# Altium PCB LightLink_V2_NOT_USED.PcbDoc (part 1 of 3)
Units mm, origin at the board's own origin, x right, y up, seen from the top; angles counter-clockwise.
Board outline 100 x 95 mm, 4 copper layers (Top Layer, GND, PWR, Bottom Layer), stack 0.603 mm thick; 319 components, 246 nets, 1057 pads, 165 vias.
Unrouted connection lines stored in the file: 408.
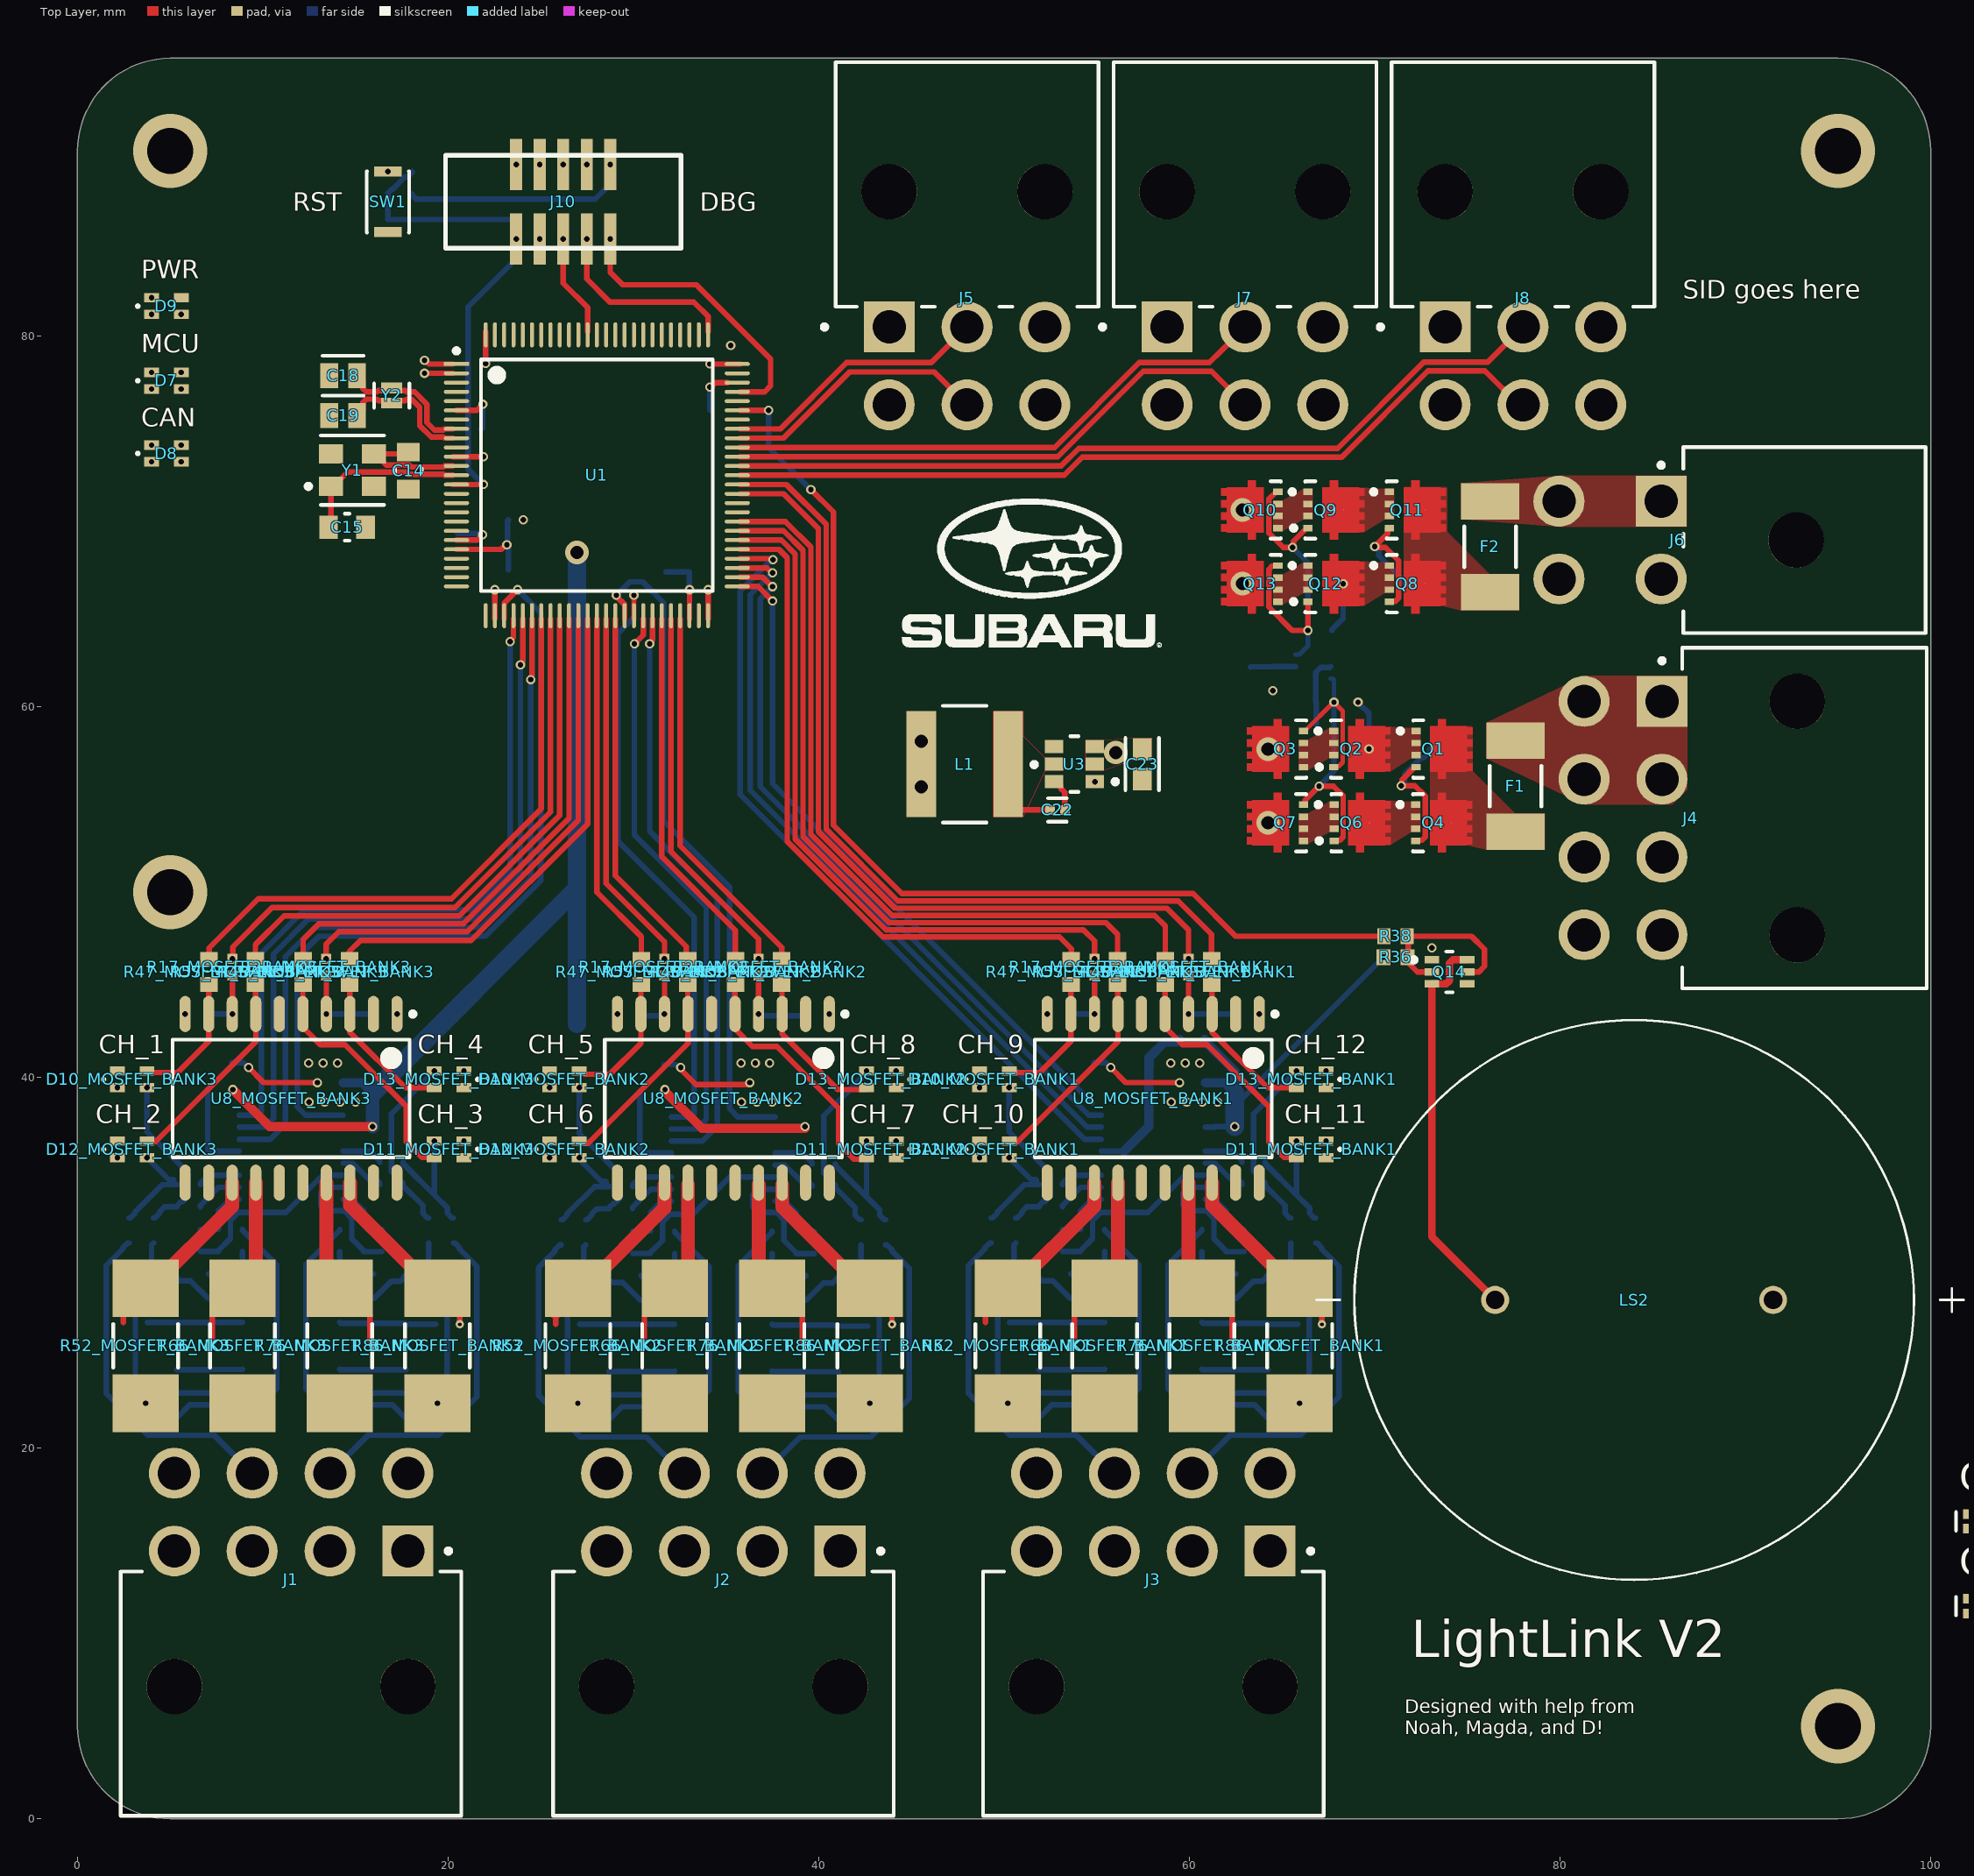
[diagram p0: Top Layer view]
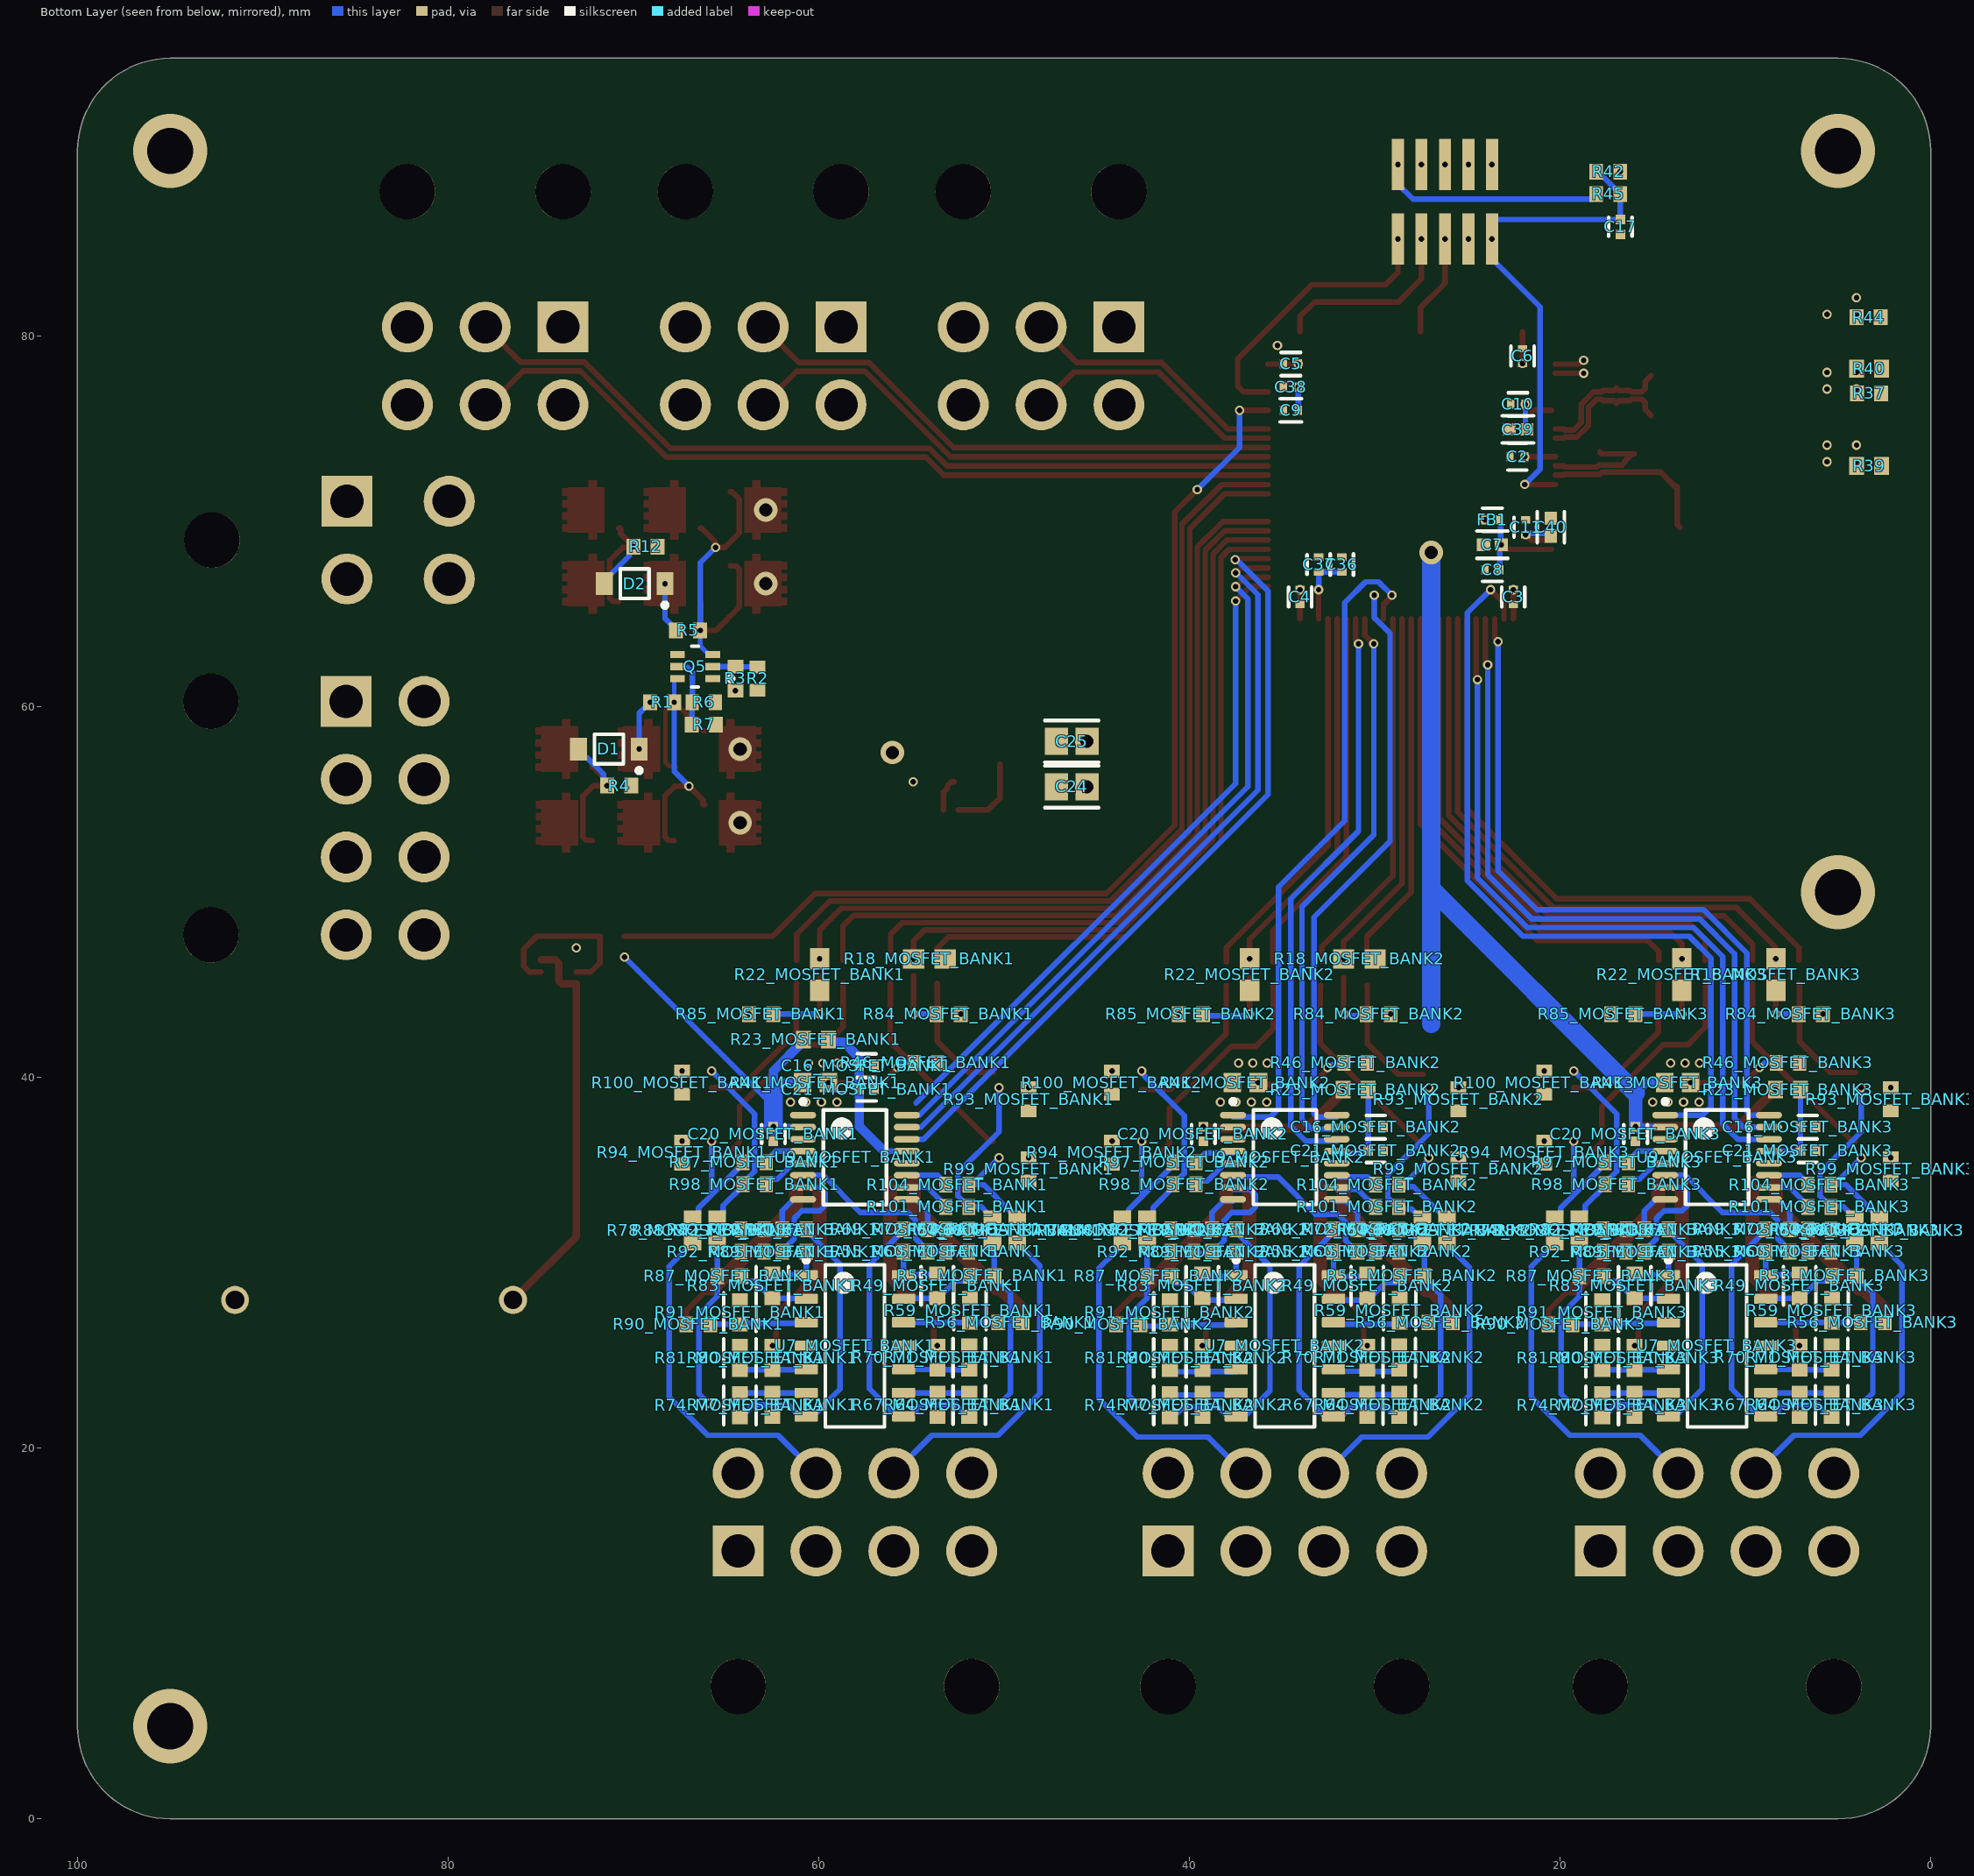
[diagram p1: Bottom Layer view, seen from below]

## Layer stack, top to bottom
Top Solder: solder mask 0.0102, Solder Resist, Dk 3.5
Top Layer: signal copper 0.0356
Dielectric 2: prepreg 0.0711, PP-006, Dk 4.1
GND: signal copper 0.035
Dielectric 1: dielectric 0.32, FR-4, Dk 4.8
PWR: signal copper 0.035
Dielectric 3: prepreg 0.0711, PP-006, Dk 4.1
Bottom Layer: signal copper 0.0356
Bottom Solder: solder mask 0.0102, Solder Resist, Dk 3.5

## Board outline
0,5 0,90 cw(c5,90) 5,95 95,95 cw(c95,90) 100,90 100,5 cw(c95,5) 95,0 5,0 cw(c5,5)

## Design rules (kind name [scope] priority, off if disabled: settings)
BoardOutlineClearance [All] p1: gap=0.2 ignorepadtopadclearanceinfootprint=FALSE
Clearance [All] p1: gap=0.089 ignorepadtopadclearanceinfootprint=FALSE except(0.127: Arc-Via Track-Via SMDPad-Via THPad-Via Via-Via Via-Fill Via-Poly Via-Region Via-Text; 0.25: Arc-Hole Track-Hole SMDPad-Hole THPad-Hole Via-Hole Fill-Hole Poly-Hole Region-Hole Text-Hole)
ComponentClearance [All] p1: gap=0.089 collisioncheckmode=3 verticalgap=0.089 showdistances=TRUE
DiffPairsRouting [All] p1: maxlimit=0.089 minlimit=0.089 mostfreqgap=0.089 toplayer_minwidth=0.089 toplayer_maxwidth=1816.048 toplayer_prefwidth=0.089 midlayer3_minwidth=0.089 midlayer3_maxwidth=1816.048 midlayer3_prefwidth=0.089 midlayer4_minwidth=0.089 midlayer4_maxwidth=1816.048 midlayer4_prefwidth=0.089 bottomlayer_minwidth=0.089 bottomlayer_maxwidth=1816.048 bottomlayer_prefwidth=0.089 maxuncoupledlength=12.7
Height [All] p1: minheight=0 maxheight=1816.048 prefheight=12.7
HoleSize [All] p1: absolutevalues=TRUE maxlimit=6.3 minlimit=0.2 maxpercent=80.000 minpercent=20.000
HoleToHoleClearance [All] p1: gap=0.25 allowstackedmicrovias=FALSE
MinimumAnnularRing [All] p1: minimumring=0.076
MinimumSolderMaskSliver [All] p1: minsoldermaskwidth=0
PlaneClearance [All] p1: clearance=0.089
PlaneConnect PlaneConnectPowerPads [InPadClass('PowerPads')] p1: planeconnectstyle=Direct reliefexpansion=0.508 reliefentries=4 reliefconductorwidth=0.254 reliefairgap=0.254
PlaneConnect [All] p2: pad.planeconnectstyle=Relief pad.reliefexpansion=0.3 pad.reliefentries=4 pad.reliefconductorwidth=0.089 pad.reliefairgap=0.089 via.planeconnectstyle=Direct via.reliefexpansion=0.3 via.reliefentries=4 via.reliefconductorwidth=0.127 via.reliefairgap=0.127
PolygonConnect PolygonConnectPowerPads [All vs (InPadClass('PowerPads'))] p1: connectstyle=Direct reliefconductorwidth=0.254 reliefentries=4 polygonreliefangle="90 Angle" airgapwidth=0.254
PolygonConnect [All] p2: connectstyle=Direct reliefconductorwidth=0.089 reliefentries=4 polygonreliefangle="90 Angle" airgapwidth=0.089
RoomDefinition MOSFET_BANK3 [InComponentClass('MOSFET_BANK3')] p1: confinementstyle=ConfineIn formatcopy=TRUE lockcomponents=FALSE outline 0.425,-0.025 22.725,-0.025 22.725,46.875 0.425,46.875
RoomDefinition MOSFET_BANK1 [InComponentClass('MOSFET_BANK1')] p2: confinementstyle=ConfineIn formatcopy=TRUE lockcomponents=FALSE outline 46.95,-0.025 69.25,-0.025 69.25,46.875 46.95,46.875
RoomDefinition MOSFET_BANK2 [InComponentClass('MOSFET_BANK2')] p3: confinementstyle=ConfineIn formatcopy=TRUE lockcomponents=FALSE outline 23.75,-0.025 46.05,-0.025 46.05,46.875 23.75,46.875
RoutingVias [All] p1: holewidth=0.2 width=0.45 viastyle="Through Hole" minholewidth=0.2 minwidth=0.45 maxholewidth=6.3 maxwidth=6.55
SilkToSilkClearance [All] p1: silktosilkclearance=0
SilkToSolderMaskClearance [IsPad] p1: minsilkscreentomaskgap=0.089 clearancetoexposedcopper=TRUE
SolderMaskExpansion [All] p1: expansion=0.075 istentingtop=FALSE
Width [All] p1: maxlimit=1816.048 minlimit=0.089 preferedwidth=0.089
20 further rules are at their usual default settings.

## Classes and differential pairs
net class 120DIFF: CAN_N CAN_P PRE_CAN_N PRE_CAN_P
channel class MOSFET_BANK: MOSFET_BANK1 MOSFET_BANK2 MOSFET_BANK3
component class STM32H730_PINOUT: C1 C2 C3 C4 C5 C6 C7 C8 C9 C10 C11 C12 C13 C14 C15 C17 C18 C19 C26 C27 C28 C29 C30 C31 C32 C33 C34 C35 C36 C37 C38 C39 C40 D4 D6 D7 D8 D9 FB1 J10 L2 LS2 Q14 R19 R20 R24 R25 R26 R27 R28 R29 R30 R31 R32 R33 R34 R35 R36 R37 R38 R39 R40 R42 R43 R44 R45 R50 R51 SW1 SW2 SW3 U1 U2 U4 U10 Y1 Y2
component class MOSFET_BANK3: C16_MOSFET_BANK3 C20_MOSFET_BANK3 C21_MOSFET_BANK3 D10_MOSFET_BANK3 D11_MOSFET_BANK3 D12_MOSFET_BANK3 D13_MOSFET_BANK3 R17_MOSFET_BANK3 R18_MOSFET_BANK3 R21_MOSFET_BANK3 R22_MOSFET_BANK3 R23_MOSFET_BANK3 R41_MOSFET_BANK3 R46_MOSFET_BANK3 R47_MOSFET_BANK3 R48_MOSFET_BANK3 R49_MOSFET_BANK3 R52_MOSFET_BANK3 R53_MOSFET_BANK3 R54_MOSFET_BANK3 R55_MOSFET_BANK3 R56_MOSFET_BANK3 R57_MOSFET_BANK3 R58_MOSFET_BANK3 R59_MOSFET_BANK3 R60_MOSFET_BANK3 R64_MOSFET_BANK3 R66_MOSFET_BANK3 R67_MOSFET_BANK3 R68_MOSFET_BANK3 R69_MOSFET_BANK3 R70_MOSFET_BANK3 R71_MOSFET_BANK3 R72_MOSFET_BANK3 R74_MOSFET_BANK3 R76_MOSFET_BANK3 R77_MOSFET_BANK3 R78_MOSFET_BANK3 R79_MOSFET_BANK3 R80_MOSFET_BANK3 R81_MOSFET_BANK3 R82_MOSFET_BANK3 R83_MOSFET_BANK3 R84_MOSFET_BANK3 R85_MOSFET_BANK3 R86_MOSFET_BANK3 R87_MOSFET_BANK3 R88_MOSFET_BANK3 R89_MOSFET_BANK3 R90_MOSFET_BANK3 R91_MOSFET_BANK3 R92_MOSFET_BANK3 R93_MOSFET_BANK3 R94_MOSFET_BANK3 R97_MOSFET_BANK3 R98_MOSFET_BANK3 R99_MOSFET_BANK3 R100_MOSFET_BANK3 R101_MOSFET_BANK3 R104_MOSFET_BANK3 U7_MOSFET_BANK3 U8_MOSFET_BANK3 U9_MOSFET_BANK3
component class MOSFET_BANK2: C16_MOSFET_BANK2 C20_MOSFET_BANK2 C21_MOSFET_BANK2 D10_MOSFET_BANK2 D11_MOSFET_BANK2 D12_MOSFET_BANK2 D13_MOSFET_BANK2 R17_MOSFET_BANK2 R18_MOSFET_BANK2 R21_MOSFET_BANK2 R22_MOSFET_BANK2 R23_MOSFET_BANK2 R41_MOSFET_BANK2 R46_MOSFET_BANK2 R47_MOSFET_BANK2 R48_MOSFET_BANK2 R49_MOSFET_BANK2 R52_MOSFET_BANK2 R53_MOSFET_BANK2 R54_MOSFET_BANK2 R55_MOSFET_BANK2 R56_MOSFET_BANK2 R57_MOSFET_BANK2 R58_MOSFET_BANK2 R59_MOSFET_BANK2 R60_MOSFET_BANK2 R64_MOSFET_BANK2 R66_MOSFET_BANK2 R67_MOSFET_BANK2 R68_MOSFET_BANK2 R69_MOSFET_BANK2 R70_MOSFET_BANK2 R71_MOSFET_BANK2 R72_MOSFET_BANK2 R74_MOSFET_BANK2 R76_MOSFET_BANK2 R77_MOSFET_BANK2 R78_MOSFET_BANK2 R79_MOSFET_BANK2 R80_MOSFET_BANK2 R81_MOSFET_BANK2 R82_MOSFET_BANK2 R83_MOSFET_BANK2 R84_MOSFET_BANK2 R85_MOSFET_BANK2 R86_MOSFET_BANK2 R87_MOSFET_BANK2 R88_MOSFET_BANK2 R89_MOSFET_BANK2 R90_MOSFET_BANK2 R91_MOSFET_BANK2 R92_MOSFET_BANK2 R93_MOSFET_BANK2 R94_MOSFET_BANK2 R97_MOSFET_BANK2 R98_MOSFET_BANK2 R99_MOSFET_BANK2 R100_MOSFET_BANK2 R101_MOSFET_BANK2 R104_MOSFET_BANK2 U7_MOSFET_BANK2 U8_MOSFET_BANK2 U9_MOSFET_BANK2
component class MOSFET_BANK1: C16_MOSFET_BANK1 C20_MOSFET_BANK1 C21_MOSFET_BANK1 D10_MOSFET_BANK1 D11_MOSFET_BANK1 D12_MOSFET_BANK1 D13_MOSFET_BANK1 R17_MOSFET_BANK1 R18_MOSFET_BANK1 R21_MOSFET_BANK1 R22_MOSFET_BANK1 R23_MOSFET_BANK1 R41_MOSFET_BANK1 R46_MOSFET_BANK1 R47_MOSFET_BANK1 R48_MOSFET_BANK1 R49_MOSFET_BANK1 R52_MOSFET_BANK1 R53_MOSFET_BANK1 R54_MOSFET_BANK1 R55_MOSFET_BANK1 R56_MOSFET_BANK1 R57_MOSFET_BANK1 R58_MOSFET_BANK1 R59_MOSFET_BANK1 R60_MOSFET_BANK1 R64_MOSFET_BANK1 R66_MOSFET_BANK1 R67_MOSFET_BANK1 R68_MOSFET_BANK1 R69_MOSFET_BANK1 R70_MOSFET_BANK1 R71_MOSFET_BANK1 R72_MOSFET_BANK1 R74_MOSFET_BANK1 R76_MOSFET_BANK1 R77_MOSFET_BANK1 R78_MOSFET_BANK1 R79_MOSFET_BANK1 R80_MOSFET_BANK1 R81_MOSFET_BANK1 R82_MOSFET_BANK1 R83_MOSFET_BANK1 R84_MOSFET_BANK1 R85_MOSFET_BANK1 R86_MOSFET_BANK1 R87_MOSFET_BANK1 R88_MOSFET_BANK1 R89_MOSFET_BANK1 R90_MOSFET_BANK1 R91_MOSFET_BANK1 R92_MOSFET_BANK1 R93_MOSFET_BANK1 R94_MOSFET_BANK1 R97_MOSFET_BANK1 R98_MOSFET_BANK1 R99_MOSFET_BANK1 R100_MOSFET_BANK1 R101_MOSFET_BANK1 R104_MOSFET_BANK1 U7_MOSFET_BANK1 U8_MOSFET_BANK1 U9_MOSFET_BANK1
component class LightLink_V4: J1 J2 J3 J4 J5 J6 J7 J8 J9
component class PWR_MGMT: D1 D2 D3 D5 F1 F2 Q1 Q2 Q3 Q4 Q5 Q6 Q7 Q8 Q9 Q10 Q11 Q12 Q13 R1 R2 R3 R4 R5 R6 R7 R8 R9 R10 R11 R12 R13 R14 R15 R16
component class INTERNAL_REGULATORS: C22 C23 C24 C25 L1 R105 R106 U3
differential pair PRE_CAN: +PRE_CAN_P -PRE_CAN_N
differential pair CAN: +CAN_P -CAN_N
differential pair X: +X_P -X_N
differential pair X32: +X32_P -X32_N

## Components (designator, comment, footprint, x,y, rotation, side; value= is the part's Value field where it differs from the comment)
C1 "C0402C104K8PACTU" FP-C0402-BB-MFG 97.55,162.5 r180 bottom value="0.10 μF"
C2 "C1005X5R1A475K050BC" FP-C1005-050-0_15-MFG 22.3,73.5 r0 bottom
C3 "GRM155R71C104KA88D" FP-GRM15-MFG 22.525,65.925 r90 bottom value=0.10μF
C4 "GRM155R71C104KA88D" FP-GRM15-MFG 34.025,65.925 r90 bottom value=0.10μF
C5 "GRM155R71C104KA88D" FP-GRM15-MFG 34.525,78.5 r180 bottom value=0.10μF
C6 "GRM155R71C104KA88D" FP-GRM15-MFG 22.025,78.925 r270 bottom value=0.10μF
C7 "EMK105BJ105KV-F" FP-0402-L_1_0_0_05-W_0_5-IPC_A 23.646,68.75 r0 bottom
C8 "GRM155R71C104KA88D" FP-GRM15-MFG 23.646,67.4 r180 bottom value=0.10μF
C9 "C1005X7S1A225K050BC" FP-C1005-050-0_15-0_1-MFG 34.525,76 r180 bottom
C10 "GRM155R71C104KA88D" FP-GRM15-MFG 22.271,76.325 r180 bottom value=0.10μF
C11 "GRM155R71C104KA88D" FP-GRM15-MFG 21.861,69.696 r270 bottom value=0.10μF
C12 "C0402C104K8PACTU" FP-C0402-BB-MFG 53.271,105.014 r90 bottom value="0.10 μF"
C13 "C0402C104K8PACTU" FP-C0402-BB-MFG 46.95,103.275 r90 bottom value="0.10 μF"
C14 "08051A6R8CAT2A" FP-0805-L_2_01_0_2-W_1_25-MFG 17.85,72.75 r90 top
C15 "08051A6R8CAT2A" FP-0805-L_2_01_0_2-W_1_25-MFG 14.542,69.7 r180 top
C16_MOSFET_BANK1 "C0402C104K8PACTU" FP-C0402-BB-MFG 57.415,40.64 r180 bottom value="0.10 μF" (schematic designator C16)
C16_MOSFET_BANK2 "C0402C104K8PACTU" FP-C0402-BB-MFG 29.95,37.325 r180 bottom value="0.10 μF" (schematic designator C16)
C16_MOSFET_BANK3 "C0402C104K8PACTU" FP-C0402-BB-MFG 6.625,37.325 r180 bottom value="0.10 μF" (schematic designator C16)
C17 "C0402C104K8PACTU" FP-C0402-BB-MFG 16.745,85.905 r270 bottom value="0.10 μF"
C18 "C0805C180J5GACTU" FP-C0805C-DN-MFG 14.333,77.875 r180 top value="18 pF"
C19 "C0805C180J5GACTU" FP-C0805C-DN-MFG 14.333,75.725 r180 top value="18 pF"
C20_MOSFET_BANK1 "C0402C104K8PACTU" FP-C0402-BB-MFG 62.45,36.95 r270 bottom value="0.10 μF" (schematic designator C20)
C20_MOSFET_BANK2 "C0402C104K8PACTU" FP-C0402-BB-MFG 39.25,36.95 r270 bottom value="0.10 μF" (schematic designator C20)
C20_MOSFET_BANK3 "C0402C104K8PACTU" FP-C0402-BB-MFG 15.925,36.95 r270 bottom value="0.10 μF" (schematic designator C20)
C21_MOSFET_BANK1 "C0402C104K8PACTU" FP-C0402-BB-MFG 57.415,39.365 r180 bottom value="0.10 μF" (schematic designator C21)
C21_MOSFET_BANK2 "C0402C104K8PACTU" FP-C0402-BB-MFG 29.95,36.05 r180 bottom value="0.10 μF" (schematic designator C21)
C21_MOSFET_BANK3 "C0402C104K8PACTU" FP-C0402-BB-MFG 6.625,36.05 r180 bottom value="0.10 μF" (schematic designator C21)
C22 "C0402C104K8PACTU" FP-C0402-BB-MFG 52.875,54.438 r180 top value="0.10 μF"
C23 "GRM188R60J106ME47D" FP-GRM188-0_1-e0_2_0_55-IPC_A 57.45,56.913 r270 top
C24 "GRM21BR61E226ME44L" FP-GRM21B-0_2-e0_2_0_7-IPC_B 46.352,55.688 r0 bottom
C25 "GRM21BR61E226ME44L" FP-GRM21B-0_2-e0_2_0_7-IPC_B 46.352,58.138 r0 bottom
C26 "C0402C104K8PACTU" FP-C0402-BB-MFG 102.006,16.052 r90 top value="0.10 μF"
C27 "C0402C104K8PACTU" FP-C0402-BB-MFG 161.034,16.052 r90 top value="0.10 μF"
C28 "C0402C104K8PACTU" FP-C0402-BB-MFG 155.184,16.052 r90 top value="0.10 μF"
C29 "C0402C104K8PACTU" FP-C0402-BB-MFG 143.483,16.052 r90 top value="0.10 μF"
C30 "C0402C104K8PACTU" FP-C0402-BB-MFG 149.334,16.052 r90 top value="0.10 μF"
C31 "C0402C104K8PACTU" FP-C0402-BB-MFG 125.407,16.052 r90 top value="0.10 μF"
C32 "C0402C104K8PACTU" FP-C0402-BB-MFG 119.557,16.052 r90 top value="0.10 μF"
C33 "C0402C104K8PACTU" FP-C0402-BB-MFG 113.707,16.052 r90 top value="0.10 μF"
C34 "C0805C225K9PACTU" CAPC2013X145X50ML20T25 109.307,11.052 r0 top
C35 "C0402C104K8PACTU" FP-C0402-BB-MFG 102.006,11.477 r90 top value="0.10 μF"
C36 "C1005X7S1A225K050BC" FP-C1005-050-0_15-0_1-MFG 31.775,67.675 r270 bottom
C37 "GRM155R71C104KA88D" FP-GRM15-MFG 33.025,67.675 r270 bottom value=0.10μF
C38 "GRM155R71C104KA88D" FP-GRM15-MFG 34.525,77.25 r180 bottom value=0.10μF
C39 "EMK105BJ105KV-F" FP-0402-L_1_0_0_05-W_0_5-IPC_A 22.271,74.975 r0 bottom
C40 "EMK105BJ105KV-F" FP-0402-L_1_0_0_05-W_0_5-IPC_A 20.5,69.7 r90 bottom
D1 "MMSZ5242BT1G" ONSC-SOD-123-2-425-04_V 71.329,57.725 r0 bottom
D2 "MMSZ5242BT1G" ONSC-SOD-123-2-425-04_V 69.935,66.65 r0 bottom
D3 "1N4148W-TP" FP-SOD-123-IPC_A 107.2,168.725 r180 bottom
D4 "ESDCAN02-2BWY" FP-SOT323-3L-MFG 91.925,163.7 r270 bottom value=3pF
D5 "1N4148W-TP" FP-SOD-123-IPC_A 118.175,-5.025 r0 top
D6 "1N4148W-TP" FP-SOD-123-IPC_A 134.525,-5.7 r0 top
D7 "150066RG54050" WL-SBCD_0606 4.8,77.6 r90 top
D8 "150066RG54050" WL-SBCD_0606 4.8,73.675 r90 top
D9 "150066RG54050" WL-SBCD_0606 4.8,81.625 r90 top
D10_MOSFET_BANK1 "150066RG54050" WL-SBCD_0606 49.475,39.9 r90 top (schematic designator D10)
D10_MOSFET_BANK2 "150066RG54050" WL-SBCD_0606 26.275,39.9 r90 top (schematic designator D10)
D10_MOSFET_BANK3 "150066RG54050" WL-SBCD_0606 2.95,39.9 r90 top (schematic designator D10)
D11_MOSFET_BANK1 "150066RG54050" WL-SBCD_0606 66.575,36.125 r270 top (schematic designator D11)
D11_MOSFET_BANK2 "150066RG54050" WL-SBCD_0606 43.375,36.125 r270 top (schematic designator D11)
D11_MOSFET_BANK3 "150066RG54050" WL-SBCD_0606 20.05,36.125 r270 top (schematic designator D11)
D12_MOSFET_BANK1 "150066RG54050" WL-SBCD_0606 49.475,36.125 r90 top (schematic designator D12)
D12_MOSFET_BANK2 "150066RG54050" WL-SBCD_0606 26.275,36.125 r90 top (schematic designator D12)
D12_MOSFET_BANK3 "150066RG54050" WL-SBCD_0606 2.95,36.125 r90 top (schematic designator D12)
D13_MOSFET_BANK1 "150066RG54050" WL-SBCD_0606 66.575,39.9 r270 top (schematic designator D13)
D13_MOSFET_BANK2 "150066RG54050" WL-SBCD_0606 43.375,39.9 r270 top (schematic designator D13)
D13_MOSFET_BANK3 "150066RG54050" WL-SBCD_0606 20.05,39.9 r270 top (schematic designator D13)
F1 "0679L9100-05" FP-0679L-MFG 77.6,55.725 r270 top value=0.0038Ω
F2 "0679L5000-05" FP-0679L-MFG 76.225,68.641 r270 top value=0.0038Ω
FB1 "BLM15PX601SN1D" FP-BLM15-0_05-MFG 23.65,70.1 r180 bottom
J1 "45586-0005" FP-45586-0005-MFG 11.525,6.95 r180 top
J2 "45586-0005" FP-45586-0005-MFG 34.85,6.95 r180 top
J3 "45586-0005" FP-45586-0005-MFG 58.05,6.95 r180 top
J4 "45586-0005" FP-45586-0005-MFG 93,54 r270 top
J5 "455580003" FP-455580003-MFG 48,88 r0 top
J6 "172448-0004" FP-39-30-1041-MFG 93,69 r90 top
J7 "455580003" FP-455580003-MFG 63,88 r0 top
J8 "455580003" FP-455580003-MFG 78,88 r0 top
J9 "455580003" FP-455580003-MFG -18.02,66.4 r90 top
J10 "HYDRA_PROGRAMMING_HEADER" 3220-10-0300-00-Footprint-1 28.75,85.24 r180 top
L1 "1255AY-3R9N=P3" FP-DG6045C-MFG 47.875,56.913 r180 top
L2 "SRF4532-510Y" FP-SRF4532-MFG 138.683,14.977 r0 top
LS2 "AI-3035-TT-12V-R" AI-3035-TT-12V-R-Footprint-1 84,28 r180 top
Q1 "SISH615ADN-T1-GE3" SISH615ADN-T1-GE3-Footprint-1 73.629,57.763 r270 top
Q2 "SISH615ADN-T1-GE3" SISH615ADN-T1-GE3-Footprint-1 69.194,57.763 r270 top
Q3 "SISH615ADN-T1-GE3" SISH615ADN-T1-GE3-Footprint-1 64.754,57.687 r90 top
Q4 "SISH615ADN-T1-GE3" SISH615ADN-T1-GE3-Footprint-1 73.619,53.787 r270 top
Q5 "SSM6N7002KFU,LF" FP-SSOP6-P-0_65A-MFG 66.675,62.175 r0 bottom
Q6 "SISH615ADN-T1-GE3" SISH615ADN-T1-GE3-Footprint-1 69.204,53.787 r270 top
Q7 "SISH615ADN-T1-GE3" SISH615ADN-T1-GE3-Footprint-1 64.754,53.712 r90 top
Q8 "SISH615ADN-T1-GE3" SISH615ADN-T1-GE3-Footprint-1 72.2,66.688 r270 top
Q9 "SISH615ADN-T1-GE3" SISH615ADN-T1-GE3-Footprint-1 67.8,70.663 r270 top
Q10 "SISH615ADN-T1-GE3" SISH615ADN-T1-GE3-Footprint-1 63.375,70.588 r90 top
Q11 "SISH615ADN-T1-GE3" SISH615ADN-T1-GE3-Footprint-1 72.2,70.663 r270 top
Q12 "SISH615ADN-T1-GE3" SISH615ADN-T1-GE3-Footprint-1 67.8,66.688 r270 top
Q13 "SISH615ADN-T1-GE3" SISH615ADN-T1-GE3-Footprint-1 63.375,66.613 r90 top
Q14 "SSM6N7002KFU,LF" FP-SSOP6-P-0_65A-MFG 74.036,45.7 r0 top
R1 "ERJ3EKF1002V" RESC1609X55X30LL15T15 68.45,60.25 r180 bottom
R2 "ERJ-3EKF1001V" RESC1608X55X30LL15T15#1 63.3,61.525 r90 bottom
R3 "ERJ3EKF1002V" RESC1609X55X30LL15T15 64.5,61.525 r270 bottom
R4 "ERJ3EKF1002V" RESC1609X55X30LL15T15 70.775,55.75 r180 bottom
R5 "ERJ3EKF1002V" RESC1609X55X30LL15T15 67.05,64.125 r180 bottom
R6 "ERJ-3EKF1001V" RESC1608X55X30LL15T15#1 66.2,60.25 r0 bottom
R7 "ERJ3EKF1002V" RESC1609X55X30LL15T15 66.2,59.05 r180 bottom
R8 "ERJ3EKF1002V" RESC1609X55X30LL15T15 60.825,104.575 r0 top
R9 "ERJ3EKF1002V" RESC1609X55X30LL15T15 61.95,115.425 r0 top
R10 "ERJ3EKF1002V" RESC1609X55X30LL15T15 67.4,123.4 r90 top
R11 "ERJ3EKF1002V" RESC1609X55X30LL15T15 81.05,112.35 r90 top
R12 "ERJ3EKF1002V" RESC1609X55X30LL15T15 69.35,68.65 r180 bottom
R13 "ERJ3EKF2701V" RESC1608X55X30LL15T15#1 60.825,105.8 r0 top
R14 "ERJ3EKF2701V" RESC1608X55X30LL15T15#1 61.975,113.975 r0 top
R15 "ERJ3EKF2701V" RESC1608X55X30LL15T15#1 68.95,123.225 r90 top
R16 "ERJ3EKF2701V" RESC1608X55X30LL15T15#1 79.25,112.75 r0 top
R17_MOSFET_BANK1 "0402 JUMPER 0 OHM" RESC1005X40X25NL05T05 54.875,45.95 r90 top (schematic designator R17)
R17_MOSFET_BANK2 "0402 JUMPER 0 OHM" RESC1005X40X25NL05T05 31.675,45.95 r90 top (schematic designator R17)
R17_MOSFET_BANK3 "0402 JUMPER 0 OHM" RESC1005X40X25NL05T05 8.35,45.95 r90 top (schematic designator R17)
R18_MOSFET_BANK1 "0603 JUMPER" RESC1609X55X30ML15T15 54.025,46.4 r0 bottom (schematic designator R18)
R18_MOSFET_BANK2 "0603 JUMPER" RESC1609X55X30ML15T15 30.825,46.4 r0 bottom (schematic designator R18)